# Allegro board balenaFin-PCB.brd (continued)
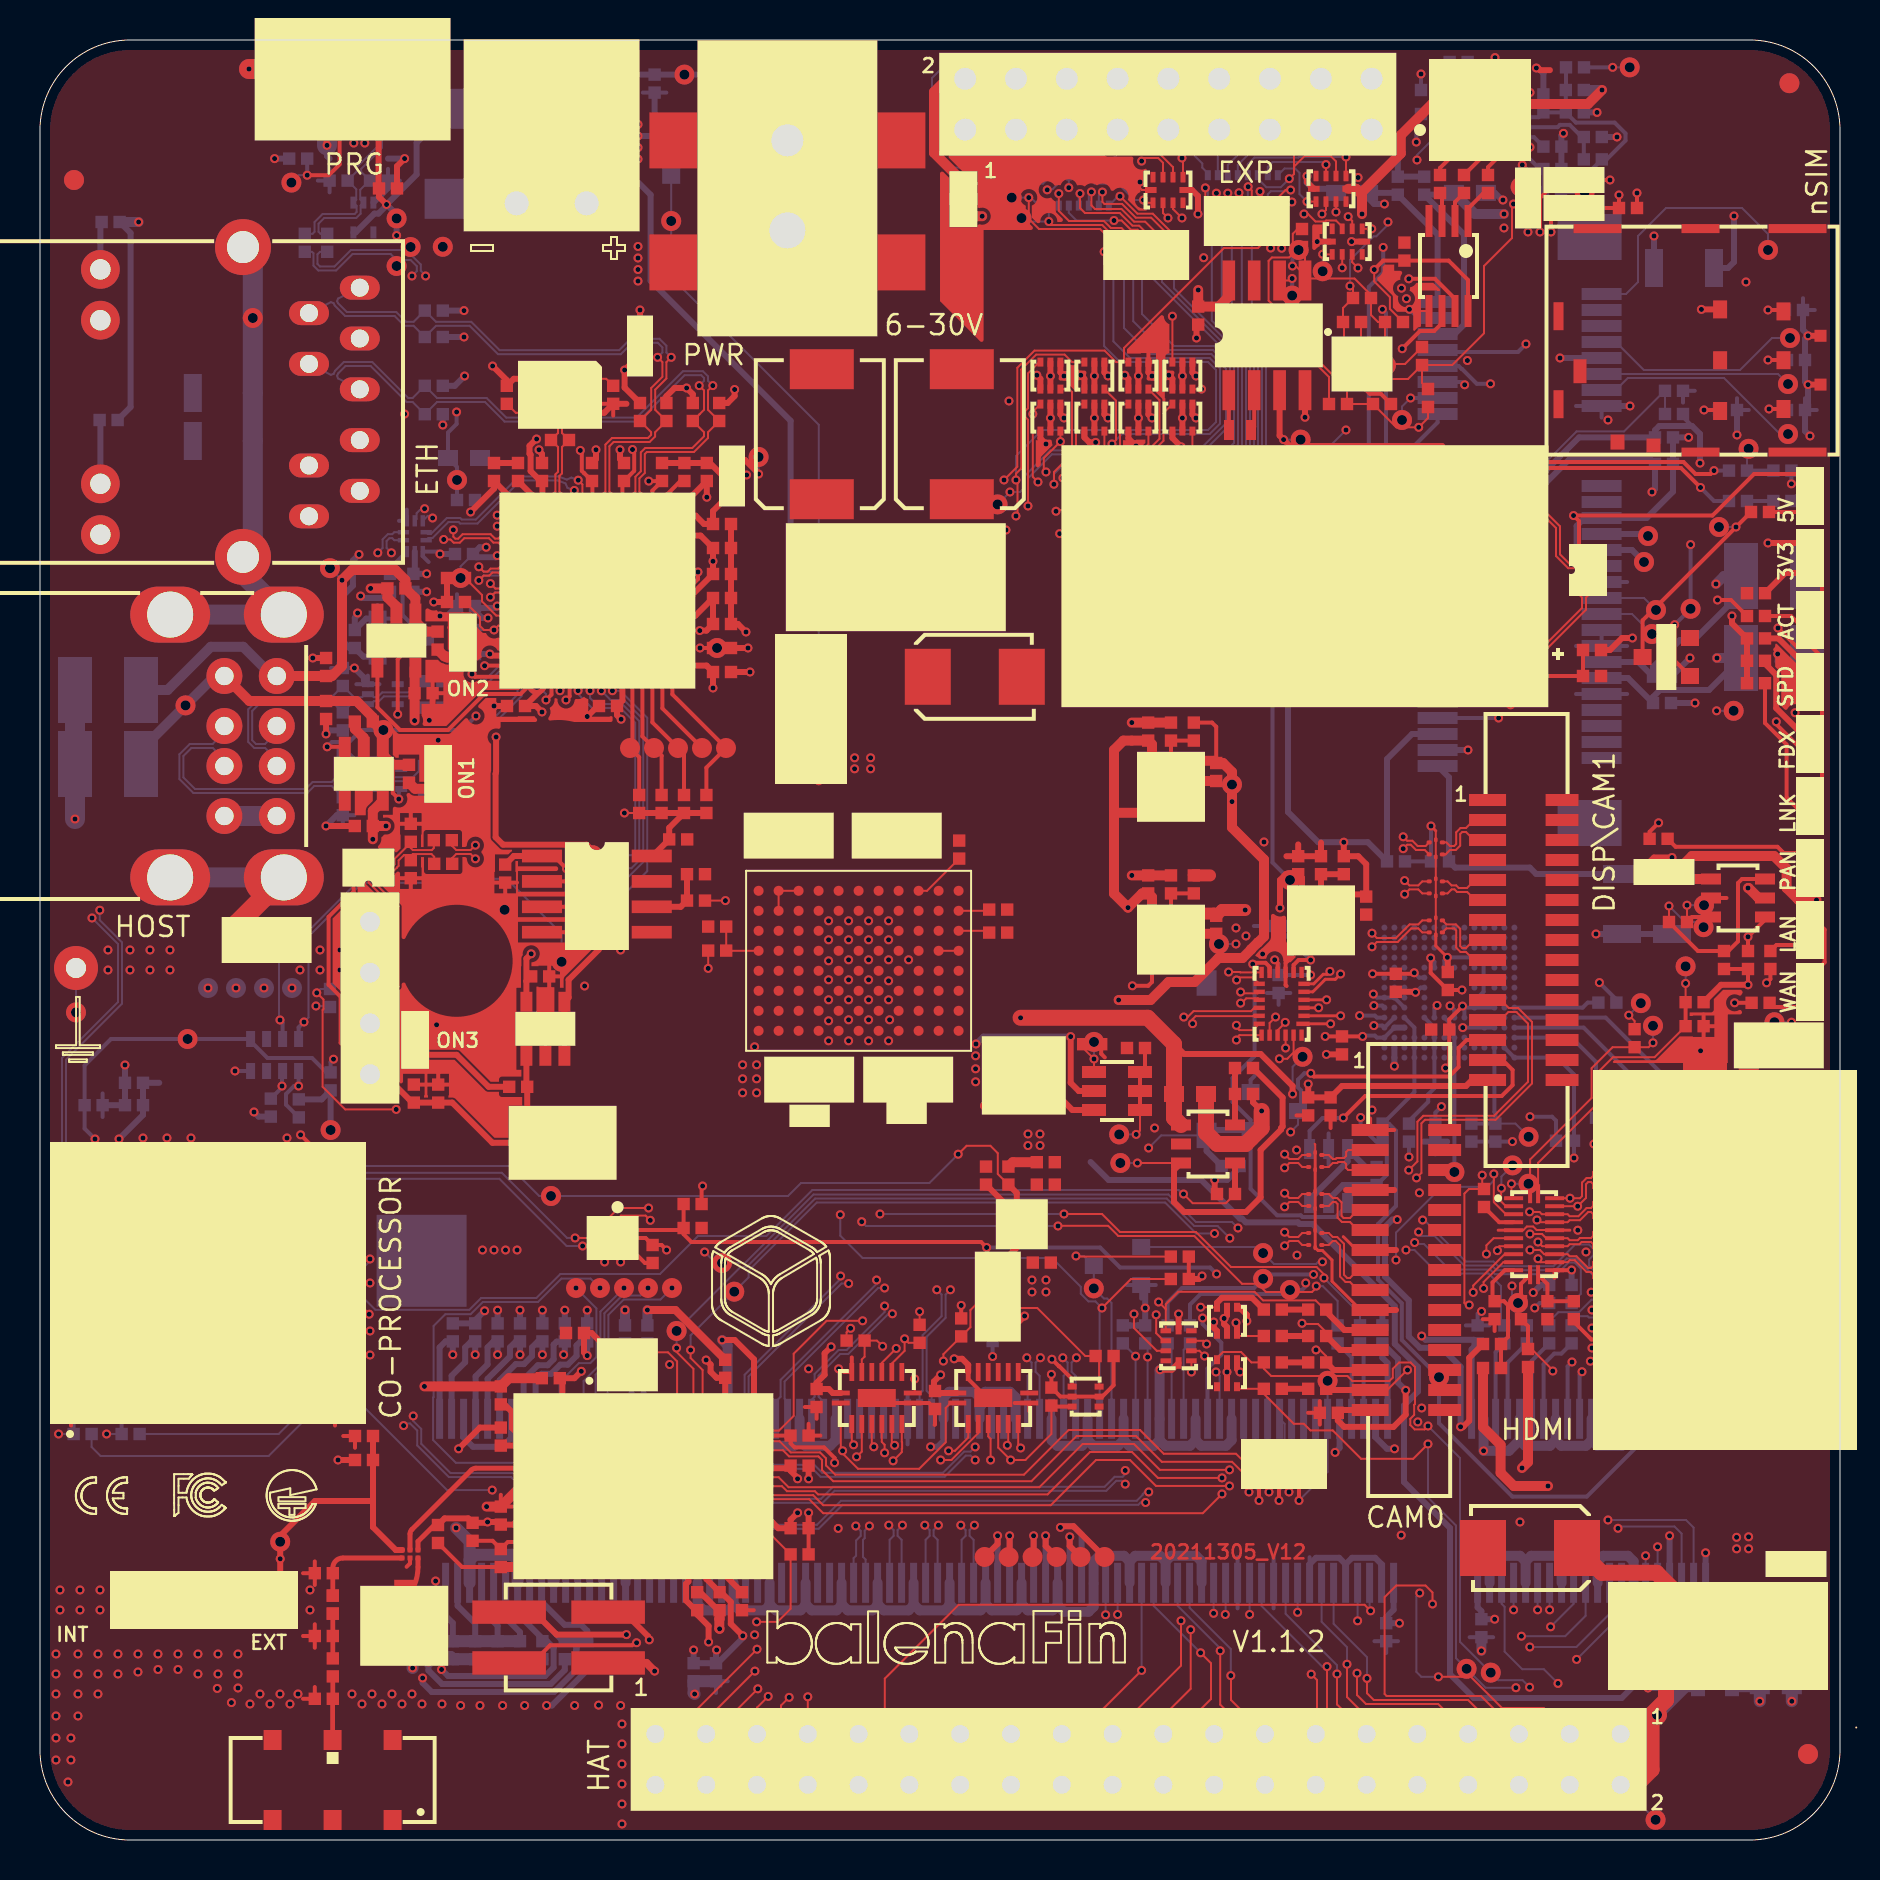
[diagram p0: board, top side]
## Routing (per net, layer and track width the routed paths; a pad name or vN(x,y) marks a point on that pad's centre or on a via; arc(x,y) is an arc through that point) (continued)
  INT4 w0.1: v1(45.17,23.95) 45.43,23.69 v1(45.43,19.46)
CAM0_SCL_EXT: length 28
  TOP w0.1: v1(42.13,24.69) 41.84,24.97 R23.1 41.23,24.17 41.09,24.03 U32.14 ; v1(58.33,24.8) 58.17,24.96 TVS2.8
  INT3 w0.1: v1(42.13,24.69) 42.13,24.36 43.33,23.16 43.33,18.86 43.97,18.23 51.97,18.23 57,23.25 57,23.64 58.16,24.8 v1(58.33,24.8)
CAM0_SDA: length 13.4
  TOP w0.1: R318.2 50.57,20.3 49.27,19 v1(48.53,19) 47.91,19.62 U33.5
  TOP w0.2: R318.2 50.62,21.67 DS1.6
  INT3 w0.1: v1(48.53,19) 47.63,19.9 v1(47.63,24.18)
  BOTTOM w0.2: R26.2 v1(47.63,24.18)
CAM0_SDA_EXT: length 30.1
  TOP w0.1: U32.11 42.59,23.82 43.23,24.46 v1(43.23,25.06) 43.43,24.86 R25.1 ; v1(58.23,24.2) 57.97,24.46 TVS2.7
  INT3 w0.1: v1(43.23,25.06) 41.97,25.06 41.75,24.84 41.75,24.43 43.13,23.06 43.13,18.4 43.5,18.03 52.06,18.03 57.2,23.16 57.2,23.56 57.84,24.2 v1(58.23,24.2)
CAM1_CK+_EXT: length 4.4
  TOP w0.1: L13.3 64.44,29.75 64.64,29.95 64.78,29.95 65,29.73 65,28.18 65.28,27.9 65.5,27.9 65.9,27.5 J10.9
CAM1_CK-_EXT: length 4.4
  TOP w0.1: J10.8 65.9,28.5 65.5,28.1 65.36,28.1 65.2,28.26 65.2,29.81 64.86,30.15 64.64,30.15 64.44,30.35 L13.4
CAM1_CN: length 42.2
  TOP w0.1: v1(62.23,30.39) 62.47,30.15 62.91,30.15 63.11,30.35 L13.2
  INT1 w0.1: v1(62.23,30.39) 61.99,30.15 61.77,30.15 61.55,29.93 61.55,28.6 62.15,28 62.15,22.93 56.42,17.2 55.64,17.2 v1(55.44,17.4)
  BOTTOM w0.1: J2.149 35.28,15.01 35.48,15.21 35.48,15.54 35.7,15.76 38.85,15.76 40.05,16.96 54.83,16.96 55.14,17.26 55.14,17.3 55.24,17.4 v1(55.44,17.4)
CAM1_CP: length 41.7
  TOP w0.1: L13.1 63.11,29.75 62.91,29.95 62.47,29.95 v1(62.23,29.71)
  INT1 w0.1: v1(62.23,29.71) 61.99,29.95 61.85,29.95 61.75,29.85 61.75,28.68 62.35,28.08 62.35,22.85 56.5,17 55.41,17 v1(55.28,16.88)
  BOTTOM w0.1: v1(55.28,16.88) 55.03,16.88 54.92,16.76 40.13,16.76 38.93,15.56 35.78,15.56 35.68,15.46 35.68,15.21 35.88,15.01 J2.147
CAM1_D0+_EXT: length 2.8
  TOP w0.1: J10.3 65.41,33.5 65.31,33.6 65.31,33.8 65.21,33.9 64.91,33.9 64.86,33.85 64.64,33.85 64.44,33.65 L11.3
CAM1_D0-_EXT: length 2.8
  TOP w0.1: L11.4 64.44,34.25 64.64,34.05 64.78,34.05 64.83,34.1 65.21,34.1 65.31,34.2 65.31,34.4 65.41,34.5 J10.2
CAM1_D1+_EXT: length 3.5
  TOP w0.1: L12.3 64.44,31.7 64.64,31.9 64.78,31.9 64.88,31.8 64.88,31.12 65.1,30.9 65.5,30.9 65.9,30.5 J10.6
CAM1_D1-_EXT: length 3.5
  TOP w0.1: L12.4 64.44,32.3 64.64,32.1 64.86,32.1 65.08,31.88 65.08,31.2 65.18,31.1 65.5,31.1 65.9,31.5 J10.5
CAM1_DN0: length 46.1
  TOP w0.1: L11.2 63.11,34.25 62.91,34.05 62.47,34.05 v1(62.23,34.29)
  INT1 w0.1: v1(46.76,19.65) 46.96,19.45 47.1,19.45 48.03,20.38 51.56,20.38 53.4,22.22 53.4,25 53.8,25.4 53.8,26.78 61.07,34.05 61.99,34.05 v1(62.23,34.29)
  BOTTOM w0.1: v1(46.76,19.65) 46.53,19.42 46.21,19.42 45.15,18.36 39.11,18.36 38.71,18.76 34.55,18.76 33.56,17.78 32.55,17.78 31.88,17.11 31.88,15.21 31.68,15.01 J2.161
CAM1_DN1: length 46.3
  TOP w0.1: v1(62.23,32.34) 62.47,32.1 62.91,32.1 63.11,32.3 L12.2
  INT1 w0.1: v1(62.23,32.34) 61.99,32.1 61.2,32.1 60.6,31.5 60.6,28.32 61.3,27.62 61.3,23.04 56.46,18.2 54.54,18.2 v1(54.26,18.48)
  BOTTOM w0.1: v1(54.26,18.48) 54.26,18.29 54.13,18.16 53.73,18.16 53.23,17.66 39.65,17.66 39.05,17.06 34.5,17.06 33.68,16.24 33.68,15.21 33.48,15.01 J2.155
CAM1_DP0: length 45.8
  TOP w0.1: v1(62.23,33.61) 62.47,33.85 62.91,33.85 63.11,33.65 L11.1
  INT1 w0.1: v1(46.76,19) 46.79,19 46.97,19.18 47.11,19.18 48.11,20.18 51.64,20.18 53.6,22.14 53.6,24.92 54,25.32 54,26.7 61.15,33.85 61.99,33.85 v1(62.23,33.61)
  BOTTOM w0.1: J2.159 32.28,15.01 32.08,15.21 32.08,17.03 32.63,17.57 33.65,17.57 34.63,18.56 38.63,18.56 39.03,18.16 45.23,18.16 46.29,19.22 46.53,19.22 46.75,19 v1(46.76,19)
CAM1_DP1: length 45.8
  TOP w0.1: v1(62.23,31.66) 62.47,31.9 62.91,31.9 63.11,31.7 L12.1
  INT1 w0.1: v1(54.26,17.8) 54.47,18 56.54,18 61.5,22.96 61.5,27.7 60.8,28.4 60.8,31.42 61.28,31.9 61.99,31.9 v1(62.23,31.66)
  BOTTOM w0.1: v1(54.26,17.8) 54.1,17.96 53.81,17.96 53.31,17.46 39.73,17.46 39.13,16.86 34.58,16.86 33.88,16.16 33.88,15.21 34.08,15.01 J2.153
CAM1_IO0: length 11.2
  TOP w0.1: DS4.3 58.03,26.64 v1(58.03,26.64)
  TOP w0.3: DS4.3 58.85,26.86 59.1,27.11 60.6,27.11 R82.2
  INT1 w0.1: v1(58.03,26.64) 55.54,24.15 v1(55.38,24.15)
  BOTTOM w0.1: R18.2 55.38,24.71 v1(55.38,24.15) J2.82
CAM1_IO0_EXT: length 33.8
  TOP w0.1: 56.29,26.54 v1(55.93,26.9) ; 56.29,26.54 TVS2.1 ; 56.29,26.54 56.29,26.79 56.91,27.41 60.72,27.41 61.15,26.98 63.78,26.98 64.24,26.52 R81.1 ; v1(40.68,19.76) 40.59,19.85 U32.2
  TOP w0.3: J10.11 65.22,25.5 64.31,26.41 R81.1
  INT4 w0.1: v1(55.93,26.9) 55.86,26.98 54.81,26.98 54.03,26.2 53.58,26.2 52.68,25.3 46.71,25.3 46.49,25.09 43.85,25.09 40.69,21.93 40.69,19.77 v1(40.68,19.76)
CAM1_IO1: length 12.1
  TOP w0.1: R84.2 59.94,25.2 DS4.6
  TOP w0.3: DS4.6 59.85,25.75 59.8,25.8 v1(59.8,25.86)
  INT1 w0.1: v1(59.8,25.86) 59.8,25.8 59.3,25.3 57.06,25.3 55.54,23.77 55.22,23.77 54.81,24.19 v1(54.78,24.19)
  BOTTOM w0.1: J2.84 v1(54.78,24.19) R20.2
CAM1_IO1_EXT: length 34.5
  TOP w0.1: U32.5 42.09,19.9 42.23,19.76 v1(42.23,19.36) ; v1(63.1,25.84) 63.1,25.8 63.9,25.8 64.31,25.39 R83.1 ; v1(55.81,26.26) 55.81,25.34 56.19,24.96 TVS2.2
  TOP w0.3: J10.12 65.01,24.5 R83.1
  INT2 w0.1: v1(63.1,25.84) 63.1,26.82 62.74,27.18 56.8,27.18 55.89,26.26 v1(55.81,26.26)
  INT4 w0.1: v1(55.81,26.26) 55.35,25.8 53.75,25.8 52.85,24.9 46.87,24.9 46.66,24.69 44.02,24.69 42.23,22.9 v1(42.23,19.36)
CAM1_SCL_EXT: length 38.2
  TOP w0.1: U32.3 41.09,19.42 v1(40.83,19.16) ; R85.1 64.31,24.19 64,24.5 63.8,24.5 v1(63.8,24.51) ; v1(54.7,26.3) 54.7,25.6 55.84,24.46 TVS2.3
  TOP w0.3: J10.13 64.69,23.5 R85.1
  INT2 w0.1: v1(63.8,24.51) 63.8,26.4 62.83,27.38 55.47,27.38 54.7,26.6 v1(54.7,26.3)
  INT4 w0.1: v1(40.83,19.16) 41.13,19.46 41.13,22.08 43.93,24.89 46.58,24.89 46.79,25.1 52.76,25.1 53.66,26 54.4,26 v1(54.7,26.3)
CAM1_SDA_EXT: length 48.4
  TOP w0.1: J10.14 67.36,22.5 68.36,23.5 v1(68.38,23.5) ; TVS2.6 v1(57.57,23.4) ; U32.6 42.59,19.88 v1(42.73,19.73)
  TOP w0.3: R87.1 64.37,22.5 J10.14
  INT2 w0.1: v1(68.38,23.5) 68.38,24.93 66.5,26.8 63.8,26.8 62.9,27.7 55.52,27.7 54.33,26.51 54.33,25.78 56.7,23.4 v1(57.57,23.4)
  INT4 w0.1: v1(57.57,23.4) 55.37,25.6 53.83,25.6 52.93,24.7 46.95,24.7 46.74,24.49 44.1,24.49 42.73,23.12 v1(42.73,19.73)
CAM_DIS_PIN11: length 51.5
  TOP w0.1: U32.4 41.59,19.76 v1(41.69,19.66) ; v1(68.83,33.11) 69.07,33.35 69.07,35.83 69.25,36.01 72.78,36.01 74.6,37.83 74.6,40.9 73.9,41.6 73.44,41.6 73.04,42 J3.11
  INT2 w0.1: v1(68.83,33.11) 68.27,33.11 67.78,33.6 67.78,33.74 66.6,34.91 61.47,34.91 57.36,30.8 56.68,30.8 55.78,29.9 50.05,29.9 41.69,21.54 v1(41.69,19.66)
CAM_DIS_PIN12: length 53.8
  TOP w0.1: v1(42.66,18.96) 43.09,19.39 43.09,19.56 43.11,19.58 43.11,19.89 43.09,19.91 U32.7 ; J3.12 73.02,41 73.42,41.4 73.82,41.4 74.4,40.82 74.4,37.91 72.7,36.21 69.17,36.21 68.87,35.91 68.87,33.93 v1(68.44,33.49)
  INT2 w0.1: v1(68.44,33.49) 68.05,33.88 67.92,33.88 66.69,35.11 63.35,35.11 62.69,35.78 62.06,35.78 57.28,31 56.6,31 55.7,30.1 49.97,30.1 41.31,21.45 41.31,19.5 41.86,18.96 v1(42.66,18.96)
CAM_DIS_PIN13: length 50.5
  TOP w0.1: v1(42.81,24.58) 42.09,23.86 U32.12
  TOP w0.2: J3.13 71.33,40 70.93,39.6 70.93,38.65 70.45,38.17 63.7,38.17 v1(63.54,38.33)
  INT3 w0.1: v1(62.53,35.4) 62.23,35.1 61.33,35.1 60.03,33.8 60.03,32.8 53.73,26.5 53.73,21.9 50.45,18.62 44.77,18.62 44.13,19.26 44.13,23.86 43.41,24.58 v1(42.81,24.58)
  BOTTOM w0.1: Q21.3 62.9,35.77 v1(62.53,35.4)
  BOTTOM w0.2: Q21.3 63.06,36.61 63.06,37.48 62.9,37.63 62.9,38.02 63.22,38.33 v1(63.54,38.33)
CAM_DIS_PIN14: length 51.4
  TOP w0.1: U32.9 43.74,22.45 43.74,22.59 43.74,22.6 v1(43.74,23.05)
  TOP w0.2: v1(65.17,36.11) 66.26,37.2 73.09,37.2 73.63,37.74 73.63,38.5 73.13,39 J3.14
  INT3 w0.1: v1(65.17,36.11) 65.12,36.11 63.91,34.9 61.41,34.9 60.23,33.72 60.23,32.72 53.93,26.42 53.93,21.82 50.54,18.43 44.05,18.43 43.74,18.74 v1(43.74,23.05)
  BOTTOM w0.2: Q20.4 63.48,35.45 64.13,36.1 65.13,36.1 65.14,36.11 v1(65.17,36.11)
CM3_RX: length 42.8
  TOP w0.1: v1(63.81,27.7) 63.81,27.61 63.6,27.4 61.3,27.4 60.89,27.81 60.11,27.81 57.72,30.2 53.92,30.2 53.41,30.71 50.91,30.71 v1(50.9,30.7) ; U29.2 28.43,31.1 28.93,31.6 v1(30.43,31.6)
  INT1 w0.1: v1(30.43,31.6) 33.83,28.2 37.4,28.2 39.8,30.6 40.77,30.6 v1(41.08,30.92)
  BOTTOM w0.1: R15.2 64.88,26.95 64.13,27.7 v1(63.81,27.7) ; v1(41.08,30.92) 41.3,30.7 v1(50.9,30.7)
CM3_TX: length 43
  TOP w0.1: v1(51.2,31.3) 53.1,31.3 54,30.4 57.8,30.4 59.55,28.65 63.83,28.65 64.2,28.28 v1(64.2,28.1) ; U29.1 28.83,31 29.05,31.22 30.28,31.22 v1(30.51,30.98)
  INT1 w0.1: v1(30.51,30.98) 33.5,28 37.48,28 39.88,30.4 41.1,30.4 v1(42,31.3)
  BOTTOM w0.1: v1(42,31.3) v1(51.2,31.3) ; R14.2 66,26.3 v1(64.2,28.1)
D+_DBG: length 11.8
  TOP w0.1: v1(15.69,84.85) 15.78,84.94 15.78,85.72 J13.3
  BOTTOM w0.1: v1(15.69,84.85) 15.85,85.01 15.85,85.55 16.2,85.9 16.78,85.9 17.1,85.58 17.1,84.62 17.01,84.53 17.01,84.51 16.06,83.56 16.06,83.41 C87.1 16.47,82.97 16.01,82.51 16.01,82.03 TVS5.2 16.03,81.73 16.03,81.32 15.81,81.1 14.21,81.1 13.93,80.81 13.93,80.41 14.03,80.31 R115.2
D+_HOST1: length 17.2
  BOTTOM w0.1: R91.2 18.64,53.14 17.61,53.14 17.37,52.9 16.87,52.9 16.72,53.05 TVS3.2 16.42,53.05 16.27,52.9 15.7,52.9 C69.1 14.58,52.9 13.63,52.9 13.28,52.55 7.75,52.55 7.17,53.13 7.17,54.2 7.57,54.6 8.64,54.6 9.22,54.02 J11.3
D+_HOST2: length 13.7
  BOTTOM w0.1: J11.7 11.84,54.02 11.26,54.6 10.72,54.6 10.41,54.91 10.41,56.53 11.02,57.14 14.58,57.14 C78.1 15.7,57.14 16.1,57.14 16.25,57.29 TVS4.2 16.54,57.29 16.69,57.14 16.87,57.14 17.11,57.38 18.66,57.38 R109.2
D+_HOST_INT: length 13.6
  TOP w0.1: R296.2 19.69,49.6 19.59,49.5 18.64,49.5 18.54,49.6 18.54,49.87 ; 18.54,49.87 C238.1 ; 18.54,49.87 17.73,49.06 17.73,48.79 17.65,48.7 17.5,48.56 17.28,48.56 TVS19.2 17.06,48.56 16.74,48.56 16.43,48.25 16.43,47.88 17.73,46.58 17.73,42.74 17.19,42.2 16.6,42.2 16.5,42.3 J23.3
D-_DBG: length 11.2
  TOP w0.1: J13.2 16.13,85.72 16.13,84.96 v1(16.24,84.85)
  BOTTOM w0.1: v1(16.24,84.85) 16.05,85.04 16.05,85.47 16.28,85.7 16.7,85.7 16.9,85.5 16.9,84.7 15.84,83.64 15.84,83.43 C86.1 15.81,82.54 15.81,82.01 TVS5.1 15.83,81.71 15.83,81.4 15.73,81.3 14.13,81.3 13.73,80.9 13.73,80.41 13.63,80.31 R114.2
D-_HOST1: length 17.8
  BOTTOM w0.1: R92.2 18.64,52.94 17.69,52.94 17.45,52.7 16.87,52.7 16.72,52.55 TVS3.1 16.42,52.55 16.27,52.7 15.7,52.7 C68.1 14.58,52.7 13.71,52.7 13.36,52.35 7.67,52.35 6.97,53.05 6.97,54.28 7.49,54.8 8.63,54.8 9.22,55.39 J11.2
D-_HOST2: length 13.1
  BOTTOM w0.1: R108.2 18.66,57.18 17.19,57.18 16.95,56.94 16.69,56.94 16.54,56.79 TVS4.1 16.25,56.79 16.1,56.94 15.7,56.94 C77.1 14.58,56.94 11.1,56.94 10.61,56.45 10.61,54.99 10.8,54.8 11.25,54.8 11.84,55.39 J11.6
D-_HOST_INT: length 13.4
  TOP w0.1: 18.54,49.09 18.39,49.25 18.2,49.25 17.93,48.98 17.93,48.7 17.85,48.62 17.49,48.26 17.26,48.26 TVS19.1 17.07,48.27 16.73,48.27 16.63,48.17 16.63,47.96 17.93,46.66 17.93,42.66 17.27,42 16.6,42 16.5,41.9 J23.2 ; 18.54,49.09 18.54,49.2 18.64,49.3 19.57,49.3 19.71,49.16 R295.2 ; 18.54,49.09 C237.1
DBG_UP-RX_DEV-TX: length 125.9
  TOP w0.1: DS26.6 55.97,71.99 55.97,70.06 52.82,66.91 v1(52.59,66.91) ; RR3.5 v1(60.59,80.81)
  TOP w0.2: MOD2.6 v1(7.55,23.8)
  INT2 w0.1: v1(52.59,66.91) 52.59,66.68 51.98,66.06 50.94,66.06 38.1,53.22 38.1,32.69 37.1,31.69 37.1,22.95 36.05,21.9 27.95,21.9 26.25,20.2 26.25,17 23.15,13.9 13.6,13.9 7.55,19.95 v1(7.55,23.8)
  BOTTOM w0.1: v1(7.55,23.8) v2(7.55,25.27) ; v1(52.59,66.91) 53.5,66 58.11,66 61.3,69.19 61.3,74.39 60.59,75.1 v1(60.59,80.81)
DBG_UP-RX_DEV-TX_EXT: length 15.5
  TOP w0.1: TVS18.1 v1(65.3,84.15)
  INT2 w0.1: v1(65.3,84.15) 65.13,84.32 61,84.32 60.16,85.16 60.16,86.86 J14.12
  BOTTOM w0.1: RR2.13 60.39,83.79 60.72,84.12 62.92,84.12 62.95,84.15 v1(65.3,84.15)
DBG_UP-TX_DEV-RX: length 120.6
  TOP w0.1: 54.2,73.9 54.2,74.6 59.2,79.6 60.9,79.6 61.09,79.79 RR3.6 ; 54.2,73.9 53.81,73.9 53.23,74.47 49.72,74.47 48.87,73.61 48.87,68.66 v1(48.2,68) ; 54.2,73.9 54.42,73.9
  TOP w0.2: MOD2.5 v1(6.35,23.8)
  INT1 w0.1: v1(50.98,65.32) 49.08,65.32 48.12,66.28 48.12,67.93 v1(48.2,68)
  INT2 w0.1: v1(50.98,65.32) 50.97,65.3 50.46,65.3 38.3,53.14 38.3,32.6 37.3,31.6 37.3,22.87 36.13,21.7 28.03,21.7 26.45,20.12 26.45,16.92 23.23,13.7 13.52,13.7 6.35,20.87 v1(6.35,23.8)
  BOTTOM w0.1: v2(6.35,22.95) v1(6.35,23.8)
DBG_UP-TX_DEV-RX_EXT: length 10.9
  TOP w0.1: v1(62.47,83.06) 62.7,83.3 62.7,83.67 ; TVS18.2 64.8,83.93 64.53,84.2 63.23,84.2 62.7,83.67 ; 62.7,83.67 62.7,86.86 J14.14
  BOTTOM w0.1: v1(62.47,83.06) 62.04,82.64 61.32,82.64 60.89,83.07 RR2.14
DISP_CLK+_CAM0_D1+_EXT: length 2.6
  TOP w0.1: J3.6 71.76,47 71.36,47.4 70.86,47.4 70.73,47.53 70.58,47.53 70.38,47.33 L3.3
DISP_CLK-_CAM0_D1-_EXT: length 2.6
  TOP w0.1: L3.4 70.38,47.93 70.58,47.73 70.81,47.73 70.94,47.6 71.35,47.6 71.75,48 J3.5
DISP_D0+_CAM0_CK+_EXT: length 3.5
  TOP w0.1: J3.9 71.7,44 71.3,44.4 71.03,44.4 70.81,44.62 70.81,45.48 70.71,45.58 70.32,45.58 L4.3
DISP_D0-_CAM0_CK-_EXT: length 3.5
  TOP w0.1: L4.4 70.32,45.78 70.79,45.78 71.01,45.56 71.01,44.7 71.11,44.6 71.3,44.6 71.7,45 J3.8
DISP_D1+_CAM0_D0+_EXT: length 3.2
  TOP w0.1: J3.3 71.7,50 71.3,50.4 71.11,50.4 71.01,50.3 71.01,49.72 70.79,49.5 70.5,49.5 70.28,49.28 L2.3
DISP_D1-_CAM0_D0-_EXT: length 3.2
  TOP w0.1: L2.4 70.32,49.88 70.5,49.7 70.71,49.7 70.81,49.8 70.81,50.38 71.03,50.6 71.3,50.6 71.7,51 J3.2
DSI1_CN: length 26
  TOP w0.1: U31.23 62.68,39.38 62.36,39.06 v1(61.97,39.06)
  INT3 w0.1: v1(49.34,24.11) 49.34,24.48 49.61,24.75 49.61,25.52 52.68,28.59 52.68,30.59 60.75,38.66 61.99,38.66 62.13,38.8 62.13,38.9 v1(61.97,39.06)
  BOTTOM w0.1: J2.102 49.38,23.21 49.58,23.41 49.58,23.87 v1(49.34,24.11)
DSI1_CN_CAM0_DN1: length 16.6
  TOP w0.1: v1(68.23,47.97) 68.47,47.73 68.91,47.73 69.11,47.93 L3.2
  TOP w0.15: U31.2 v1(65.03,41.21)
  INT3 w0.15: v1(68.23,47.97) 67.86,47.97 67.65,47.76 67.26,47.76 66.97,47.46 66.97,46.46 67.43,46 67.43,39.65 67.13,39.35 65.78,39.35 65.48,39.65 65.48,40.33 65.23,40.65 65.26,40.92 v1(65.03,41.21)
DSI1_CP: length 25.5
  TOP w0.1: U31.22 v1(62.28,39.6)
  INT3 w0.1: v1(50.02,24.11) 50.02,24.48 49.8,24.7 49.8,25.43 52.88,28.51 52.88,30.51 60.83,38.46 62.07,38.46 62.27,38.66 62.43,38.82 62.43,39.45 v1(62.28,39.6)
  BOTTOM w0.1: J2.100 49.98,23.21 49.78,23.41 49.78,23.87 v1(50.02,24.11)
DSI1_CP_CAM0_DP1: length 16.4
  TOP w0.1: L3.1 69.11,47.33 68.91,47.53 68.47,47.53 v1(68.23,47.29)
  TOP w0.15: U31.1 v1(64.53,40.81)
  INT3 w0.15: v1(68.23,47.29) 67.86,47.29 67.65,47.51 67.37,47.51 67.22,47.36 67.22,46.57 67.68,46.1 67.68,39.55 67.23,39.1 65.68,39.1 65.23,39.55 65.23,40.25 65.04,40.49 64.76,40.52 v1(64.53,40.81)
DSI1_DN0: length 27.3
  TOP w0.1: v1(62.26,40.88) 62.23,40.85 62.23,40.83 61.88,40.48 U31.21
  INT3 w0.1: v1(62.26,40.88) 62.41,41.03 62.75,41.03 63.28,40.5 63.28,39.05 61.73,37.5 60.73,37.5 53.78,30.55 53.78,28.63 51.36,26.2 51.36,24.7 51.14,24.48 v1(51.14,24.11)
  BOTTOM w0.1: J2.96 51.18,23.21 51.38,23.41 51.38,23.87 v1(51.14,24.11)
DSI1_DN0_CAM0_CN: length 9.1
  TOP w0.1: L4.2 69.11,45.98 68.91,45.78 68.48,45.78 67.8,45.1 66.84,45.1 v1(66.6,45.34)
  TOP w0.15: U31.4 v1(64.33,42.01)
  INT3 w0.1: 64.45,42.13 v1(64.33,42.01)
  INT3 w0.15: 64.45,42.13 64.5,42.18 64.61,42.18 65.48,43.05 65.48,44.75 65.83,45.1 66.36,45.1 v1(66.6,45.34)
DSI1_DN1: length 30.9
  TOP w0.1: v1(59.82,40.73) 59.82,40.64 59.97,40.49 60.64,40.49 U31.18
  INT3 w0.1: v1(59.82,40.73) 59.56,40.47 59.1,40.47 58.48,39.85 56.95,39.85 53.78,36.68 53.78,34.88 51.4,32.5 48.23,32.5 45.11,29.38 45.11,28.15 44.84,27.88 v1(44.84,27.51)
  BOTTOM w0.1: J2.120 43.98,22.31 44.13,22.46 44.13,25.24 45.08,26.19 45.08,27.27 v1(44.84,27.51)
DSI1_DN1_CAM0_DN0: length 12.6
  TOP w0.1: L2.2 69.28,49.7 68.88,49.7 68.62,49.96 68.36,49.96 v1(68.16,50.16)
  TOP w0.15: U31.6 63.69,42.81 64.16,43.28 64.35,43.28 v1(64.5,43.43)
  INT3 w0.15: v1(68.16,50.16) 67.79,50.16 67.62,49.99 66.56,49.99 64.23,47.65 64.23,44.45 64.68,44 64.68,43.62 v1(64.5,43.43)
DSI1_DP0: length 28.4
  TOP w0.1: v1(61.78,41.15) 61.48,40.85 U31.20
  INT3 w0.1: v1(61.78,41.15) 61.78,41.16 61.88,41.26 62.42,41.26 62.44,41.23 62.83,41.23 63.48,40.58 63.48,38.97 61.81,37.3 60.81,37.3 53.98,30.47 53.98,28.55 51.56,26.12 51.56,24.75 51.82,24.48 v1(51.82,24.11)
  BOTTOM w0.1: J2.94 51.78,23.21 51.58,23.41 51.58,23.87 v1(51.82,24.11)
DSI1_DP0_CAM0_CP: length 9.2
  TOP w0.1: L4.1 69.11,45.38 68.91,45.58 68.56,45.58 67.88,44.9 66.84,44.9 v1(66.6,44.66)
  TOP w0.15: U31.3 v1(63.93,41.61)
  INT3 w0.15: v1(66.6,44.66) 66.41,44.85 65.93,44.85 65.73,44.65 65.73,42.95 64.78,42 64.78,41.9 64.5,41.61 v1(63.93,41.61)
DSI1_DP1: length 30.6
  TOP w0.1: v1(59.82,40) 59.82,40.09 59.97,40.24 60.75,40.24 U31.19
  INT3 w0.1: v1(45.52,27.51) 45.52,27.88 45.3,28.1 45.3,29.29 48.31,32.3 51.48,32.3 53.98,34.8 53.98,36.6 57.03,39.65 58.56,39.65 59.19,40.27 59.54,40.27 v1(59.82,40)
  BOTTOM w0.1: v1(45.52,27.51) 45.28,27.27 45.28,26.11 44.33,25.16 44.33,22.46 44.58,22.21 J2.118
DSI1_DP1_CAM0_DP0: length 12.9
  TOP w0.1: L2.1 69.24,49.5 68.8,49.5 68.54,49.76 68.36,49.76 v1(68.16,49.56)
  TOP w0.15: v1(65.03,43.3) 64.76,43.03 64.26,43.03 63.64,42.41 U31.5
  INT3 w0.15: v1(65.03,43.3) 64.93,43.4 64.93,44.1 64.48,44.55 64.48,47.55 66.67,49.74 67.62,49.74 67.79,49.56 v1(68.16,49.56)
EE_CLK: length 16.5
  TOP w0.2: v1(26.91,57.47) 27.12,57.69 U22.23 ; v1(26.93,48.7) 26.93,48.13 26.73,47.93 U19.2
  BOTTOM w0.1: v1(26.93,48.7) 27.47,49.24 v2(27.63,49.24) 29.66,49.24 29.76,49.34 29.76,55.86 29.02,56.6 27.6,56.6 26.91,57.3 v1(26.91,57.47)
EE_CS: length 18.8
  TOP w0.2: v1(27.5,57.46) 27.5,57.5 27.62,57.62 U22.24 ; v1(26.33,48.56) 25.69,49.2 U19.1
  TOP w0.3: R170.2 23.69,49.2 U19.1
  BOTTOM w0.1: v1(26.33,48.56) 26.95,47.94 v2(27.4,47.94) 28.05,48.59 29.57,48.59 29.96,48.98 29.96,55.94 29.11,56.8 27.8,56.8 27.5,57.1 v1(27.5,57.46)
EE_DI: length 17.3
  TOP w0.2: U19.4 v1(26.45,45.39) ; U22.26 v1(28.62,57.46)
  BOTTOM w0.1: v1(26.45,45.39) v2(27.43,45.39) 27.43,45.51 30.36,48.44 30.36,56.11 29.01,57.46 v1(28.62,57.46)
EE_DO: length 16.5
  TOP w0.2: v1(28.07,57.46) 28.12,57.51 U22.25 ; U19.3 v1(26.45,46.66)
  BOTTOM w0.1: v1(28.07,57.46) 28.53,57 29.19,57 30.16,56.03 30.16,48.9 27.93,46.66 v2(27.43,46.66) v1(26.45,46.66)
EMMC_CLK: length 35.7
  INT1 w0.2: v1(80.58,23.41) 83.13,25.96 83.13,33.87 77.27,39.73 69.77,39.73 67.28,42.22 66.74,42.22 v1(66.67,42.3)
  BOTTOM w0.2: U17.M6 U17.N7 U17.P7 66.84,42.12 v1(66.67,42.3) ; J2.10 v1(80.58,23.41)
EMMC_CMD: length 38.1
  BOTTOM w0.2: 79.98,22.06 J2.12 79.98,19.81 77.34,17.17 73.62,17.17 69.95,20.84 v2(69.95,23.14) 68.09,25 68.09,26.84 66.9,28.02 66.9,30.8 67.8,31.7 67.8,35.46 67.45,35.81 67.14,35.81 ; 67.14,35.81 68.72,37.39 U17.L1 U17.L2 U17.L3 68.72,40.62 U17.M5 ; 67.14,35.81 R134.1
EMMC_D0: length 35.6
  INT1 w0.2: v1(77.7,34.8) 78.38,34.12 78.38,31.87 arc(78.43,31.75) 78.54,31.7 79.29,31.7 arc(79.45,31.54) 79.29,31.38 78.54,31.38 arc(78.38,31.21) 78.54,31.05 79.29,31.05 arc(79.45,30.89) 79.29,30.72 78.54,30.72 arc(78.38,30.56) 78.54,30.4 79.29,30.4 arc(79.45,30.23) 79.29,30.07 78.54,30.07 arc(78.38,29.91) 78.54,29.74 79.29,29.74 arc(79.45,29.58) 79.29,29.42 78.54,29.42 arc(78.38,29.25) 78.54,29.09 79.29,29.09 arc(79.45,28.92) 79.29,28.76 78.54,28.76 arc(78.38,28.6) 78.54,28.43 79.29,28.43 arc(79.45,28.27) 79.29,28.11 78.54,28.11 arc(78.38,27.94) 78.54,27.78 78.77,27.78 arc(78.93,27.62) 78.77,27.45 78.54,27.45 arc(78.36,27.38) 78.28,27.19 78.28,26.28 v1(77.6,25.6)
  BOTTOM w0.2: J2.16 78.78,24.42 v1(77.6,25.6) ; v1(77.7,34.8) 77.8,34.9 R138.1 77.8,38.9 76.58,40.12 U17.A3
EMMC_D1: length 35.6
  INT1 w0.2: v1(79.4,34.75) 80.18,33.97 80.18,31.29 arc(80.24,31.15) 80.38,31.09 80.77,31.09 arc(80.94,30.93) 80.77,30.76 80.4,30.76 arc(80.24,30.6) 80.4,30.44 80.9,30.44 arc(81.07,30.27) 80.9,30.11 80.4,30.11 arc(80.24,29.95) 80.4,29.78 80.9,29.78 arc(81.07,29.62) 80.9,29.46 80.33,29.46 arc(80.16,29.29) 80.33,29.13 80.88,29.13 arc(81.04,28.97) 80.88,28.8 80.32,28.8 arc(80.16,28.64) 80.32,28.48 80.88,28.48 arc(81.04,28.31) 80.88,28.15 80.32,28.15 arc(80.16,27.98) 80.32,27.82 80.67,27.82 arc(80.83,27.66) 80.67,27.49 80.32,27.49 arc(80.16,27.33) 80.32,27.17 80.67,27.17 arc(80.83,27) 80.67,26.84 80.32,26.84 arc(80.2,26.79) 80.16,26.68 80.16,25.58 79.17,24.6 v1(77.6,24.6)
  BOTTOM w0.2: U17.A4 77.18,40.62 79.4,38.4 R137.1 v1(79.4,34.75) ; J2.18 78.18,24.02 v1(77.6,24.6)
EMMC_D2: length 35.7
  INT1 w0.2: v1(77.1,23.41) 79.21,23.41 81.67,25.87 81.67,28.2 arc(81.71,28.32) 81.83,28.37 82.17,28.37 arc(82.33,28.53) 82.17,28.69 81.83,28.69 arc(81.67,28.86) 81.83,29.02 82.18,29.02 arc(82.34,29.18) 82.18,29.35 81.83,29.35 arc(81.67,29.51) 81.83,29.67 82.39,29.67 arc(82.56,29.84) 82.39,30 81.83,30 arc(81.67,30.16) 81.83,30.33 82.39,30.33 arc(82.56,30.49) 82.39,30.66 81.83,30.66 arc(81.67,30.82) 81.83,30.98 82.39,30.98 arc(82.56,31.15) 82.39,31.31 82.05,31.31 arc(81.91,31.37) 81.85,31.51 81.85,33.31 arc(81.74,33.86) 81.43,34.33 81.16,34.6 v1(81.08,34.6)
  BOTTOM w0.2: v1(81.08,34.6) 81.08,38.33 78.28,41.12 U17.A5 ; v1(77.1,23.41) 77.1,23.4 76.98,23.28 J2.22
EMMC_D3: length 35.7
  INT1 w0.2: v1(76.6,23.9) 76.39,24.11 arc(76.35,24.18) 76.33,24.25 76.33,25.49 arc(76.27,25.63) 76.13,25.69 75.38,25.69 arc(75.22,25.85) 75.38,26.02 76.94,26.02 arc(77.1,26.18) 76.94,26.34 75.4,26.34 arc(75.24,26.51) 75.4,26.67 76.94,26.67 arc(77.1,26.84) 76.94,27 75.4,27 arc(75.24,27.16) 75.4,27.33 76.94,27.33 arc(77.1,27.49) 76.94,27.65 75.4,27.65 arc(75.24,27.82) 75.4,27.98 77.46,27.98 arc(77.61,28.02) 77.72,28.13 arc(77.78,28.28) 77.8,28.43 77.8,33.19 arc(77.78,33.29) 77.73,33.37 77,34.1 v1(76.7,34.1)
  BOTTOM w0.2: U17.B2 U17.A1 75.86,39.12 76.7,38.28 R135.1 v1(76.7,34.1) ; J2.24 76.38,23.68 v1(76.6,23.9)
EMMC_DISABLE_N: length 118.4
  INT2 w0.1: v1(83.8,22.6) 86,22.6 87.18,23.78 87.18,54.38 88.3,55.5 88.3,56.51 87.59,57.22 87.59,61.7 80.31,68.97 80.31,72.51 77.12,75.7 54.05,75.7 53,74.65 38.23,74.65 35.11,77.78 35.11,85.29 34.58,85.82 v1(33.52,85.82)
  BOTTOM w0.1: v2(83.35,23.71) 83.8,23.26 v1(83.8,22.6) 82.98,21.78 J2.2 ; v1(33.52,85.82) 33.53,85.84 Q2.3
EMMC_DS: length 7.9
  BOTTOM w0.2: U17.H5 70.7,40.64 70.7,40.14 U17.G3 U17.G2 U17.G1 v2(70.72,33.4)
EMMC_EN_N_1V8: length 81.1
  TOP w0.1: v1(53.1,26.6) 54.55,28.05 R22.1
  INT2 w0.1: v1(40.01,31.27) 38.7,32.58 38.7,52.72 v1(38.94,52.96)
  BOTTOM w0.1: v1(38.94,52.96) 38.94,70.76 31.56,78.14 v2(31.56,80.95) Q3.1 ; v1(40.01,31.27) 40.01,30.22 41.13,29.1 50.6,29.1 52.04,27.66 52.04,27.31 52.42,26.93 52.77,26.93 v1(53.1,26.6) 52.98,26.48 J2.90
EMMC_RST: length 6
  BOTTOM w0.2: R133.1 68.45,35.95 69.41,36.91 69.41,37.28 69.72,37.59 U17.J1 U17.J2 U17.J3 69.72,40.62 U17.K5
ETH_RX+: length 33
  TOP w0.1: v1(33.64,72.72) 33.4,72.48 33.4,71.51 R164.1 33.4,70.39 33.4,70.1 32.7,69.4 30.34,69.4 30.24,69.3 30.24,68.35 29.97,68.08 29.97,67.42 30.12,67.27 U22.52
  BOTTOM w0.1: v1(33.64,72.72) 33.4,72.96 33.4,73.18 33.14,73.44 32.15,73.44 29.83,71.12 23.31,71.12 22.33,72.1 19.85,72.1 C138.1 18.63,72.1 18.41,72.1 16.61,73.9 15.19,73.9 14.75,73.46 14.68,73.3 14.54,73.26 J20.4
ETH_RX-: length 32.5
  TOP w0.1: v1(32.96,72.72) 33.2,72.48 33.2,71.51 32.98,71.29 R165.1 33.2,70.39 33.2,70.19 32.61,69.6 30.26,69.6 30.04,69.38 30.04,68.43 29.77,68.16 29.77,67.42 29.62,67.27 U22.53
  BOTTOM w0.1: 15.99,72.53 14.9,73.08 14.85,73.21 14.92,73.34 15.28,73.7 16.53,73.7 18.33,71.9 18.63,71.9 C139.1 19.85,71.9 22.25,71.9 23.23,70.92 29.91,70.92 32.23,73.24 33.06,73.24 33.2,73.1 33.2,72.96 v1(32.96,72.72)
ETH_TX+: length 30.6
  TOP w0.1: v1(31.56,74.13) 31.32,73.89 31.32,73.08 30.76,72.52 30.76,71.51 R162.1 30.75,70.38 30.75,70.17 30.48,69.9 29.47,69.9 28.68,69.9 28.47,69.69 28.47,67.42 28.62,67.27 U22.55
  BOTTOM w0.1: J20.1 14.9,77.07 14.85,76.94 14.9,76.84 15.34,76.4 17.81,76.4 18.3,75.91 18.68,75.91 C136.1 19.8,75.91 21.56,75.91 22.98,74.49 28.96,74.49 29.53,75.06 30.97,75.06 31.32,74.71 31.32,74.38 v1(31.56,74.13)
ETH_TX-: length 30.5
  TOP w0.1: v1(30.88,74.13) 31.12,73.89 31.12,73.16 30.56,72.6 30.56,71.51 R163.1 30.55,70.4 30.55,70.25 30.4,70.1 29.39,70.1 29.39,70.1 28.6,70.1 28.27,69.77 28.27,67.42 28.12,67.27 U22.56
  BOTTOM w0.1: v1(30.88,74.13) 31.12,74.38 31.12,74.63 30.89,74.86 29.61,74.86 29.04,74.29 22.9,74.29 21.48,75.71 19.8,75.71 C137.1 18.68,75.71 18.22,75.71 17.73,76.2 15.26,76.2 14.74,76.72 14.68,76.85 14.54,76.89 J20.2
GPIO4: length 23.7
  TOP w0.1: J18.7 69.91,6.8 66.3,6.8 65.85,7.25 v1(65.85,8.34)
  INT1 w0.1: v1(65.85,8.34) 65.85,8.68 66.2,9.03 v1(76.83,9.03)
  BOTTOM w0.1: v1(76.83,9.03) 79.08,11.28 J2.15
GPIO5: length 39.5
  INT2 w0.1: J18.29 45.67,7.5 73.15,7.5 74.49,8.84 v1(74.49,9.65)
  BOTTOM w0.1: J2.17 78.48,11.31 76.82,9.65 v1(74.49,9.65)
GPIO6: length 41.3
  INT2 w0.1: v1(74.07,10.19) 74.01,10.13 74.01,8.75 72.96,7.7 43.33,7.7 J18.31
  BOTTOM w0.1: J2.21 77.28,11.21 76.26,10.19 v1(74.07,10.19)
GPIO7: length 35.7
  INT2 w0.1: J18.26 49.89,4.1 49.89,5.8 50.99,6.9 74.72,6.9 75.33,7.51 75.33,10.46 v1(75.53,10.66)
  BOTTOM w0.1: J2.23 76.68,11.81 v1(75.53,10.66)
GPIO8: length 34.1
  INT2 w0.1: J18.24 52.29,3.96 52.29,5.79 53,6.5 75.46,6.5 76.33,7.37 76.33,10.66 v1(75.48,11.51)
  BOTTOM w0.1: J2.27 v1(75.48,11.51)
